# Altium PCB 全兼容主控.PCBDOC (part 2 of 9) (continued)
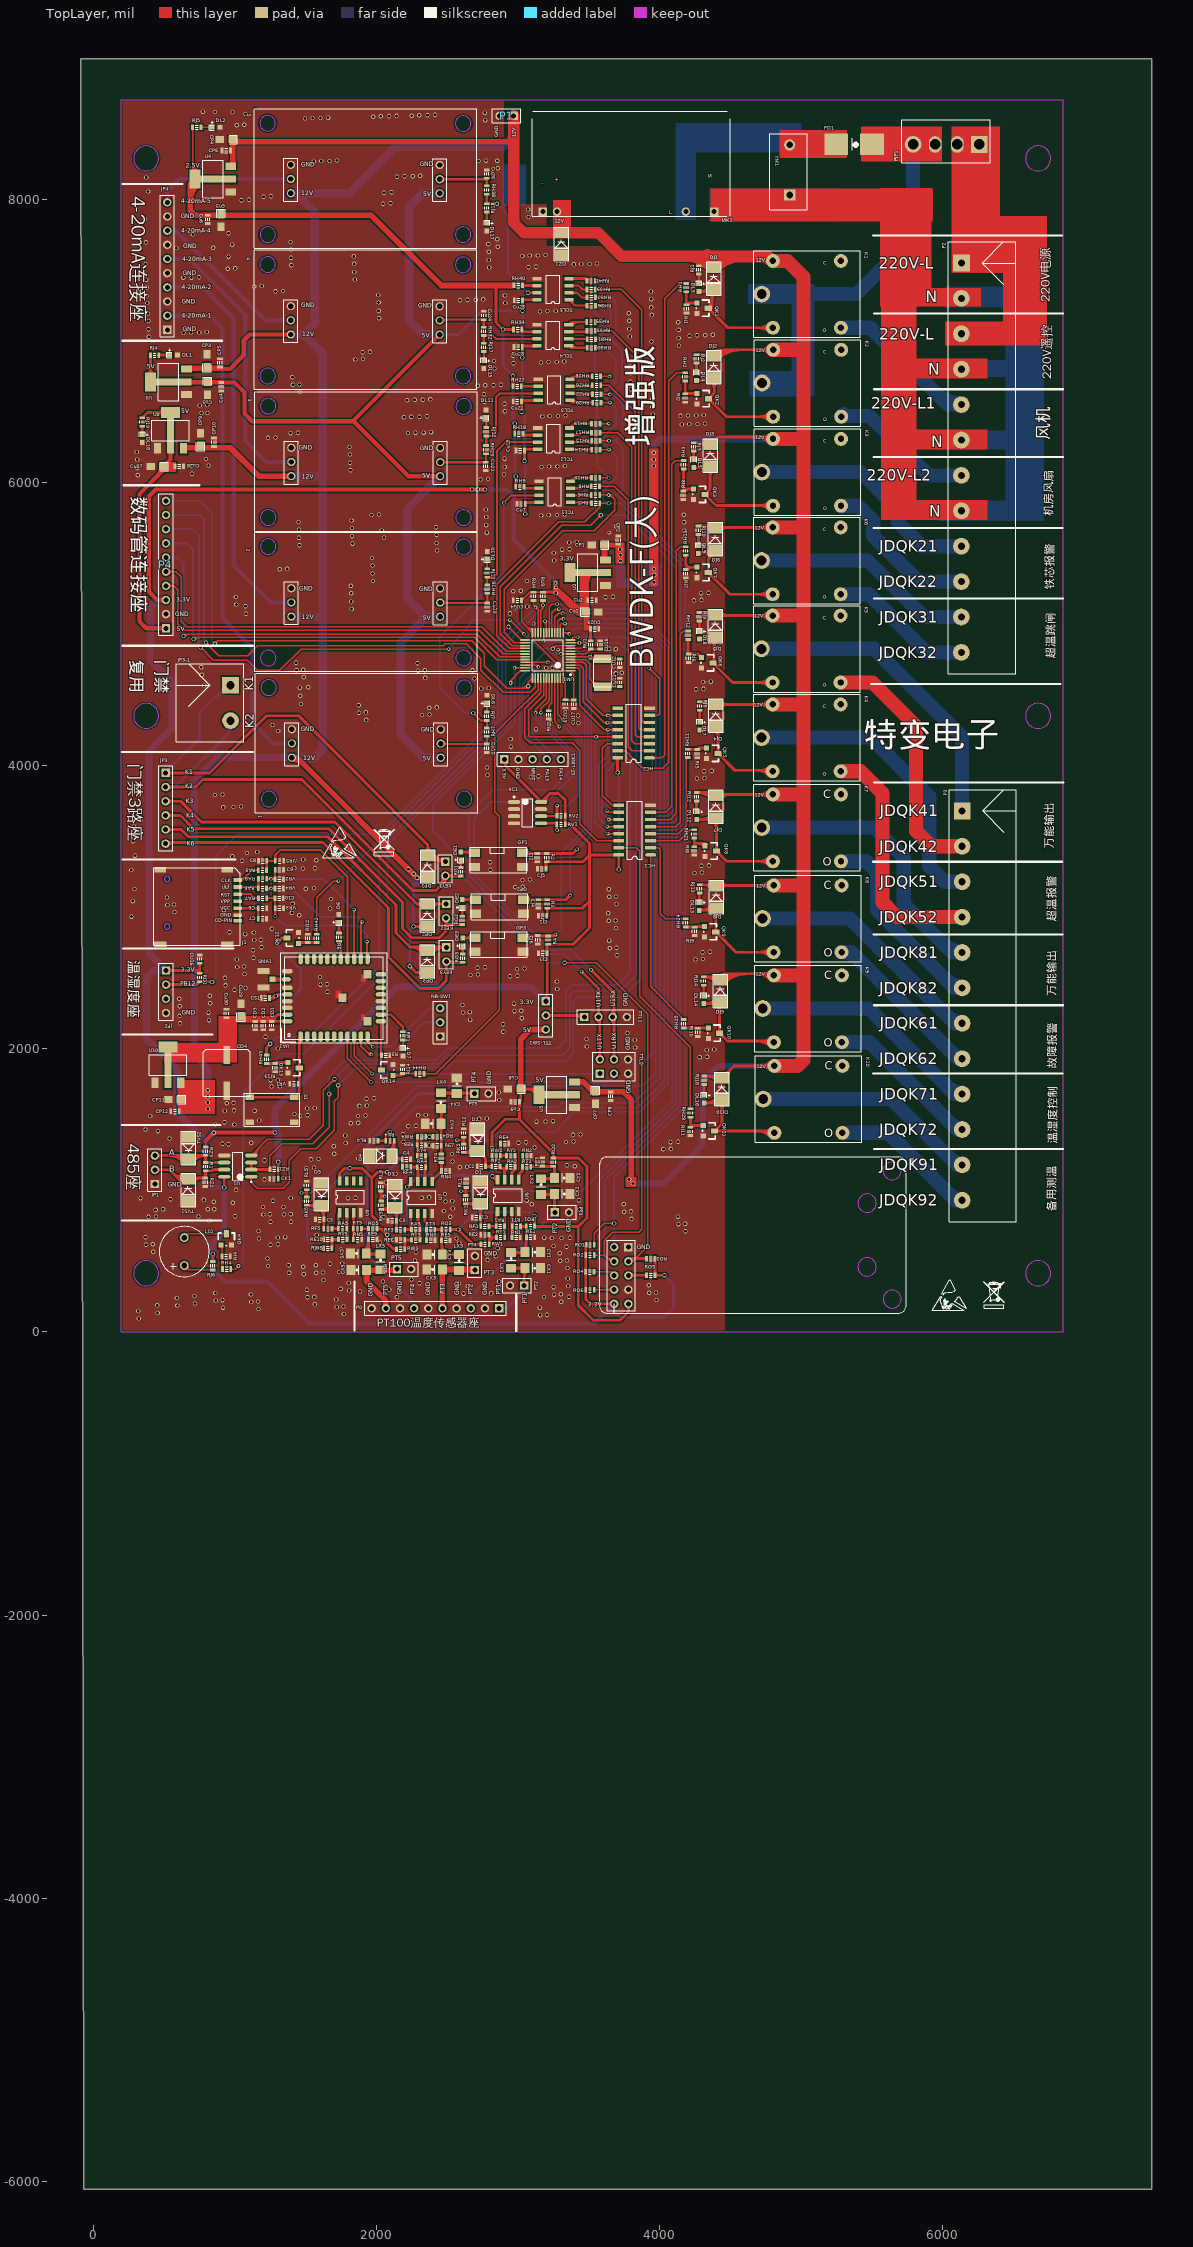
[diagram p0: TopLayer view]
## Nets (pads, with @x,y where several pads share a name; then routed paths per layer and width w, separated by ;. In a path a pad name is that pad's centre, name@x,y a point inside that pad or via, vN(x,y) a via of type N, cw(c..) or ccw(c..) an arc to the next point about the centre after c; other vN are vias at no path point) (continued)
  TopLayer w40: U8.3@643.73,6244.59 968.3,6244.59 1169.07,6043.82 3.3@1399.21,6043.82 ; U4.3@971.69,8232.42 984.57,8245.3 CP4.1@984.57,8420.68 ; CP4.1@986.2,8404.42 987.9,8406.12 2969.19,8406.12 ; 1.3@1403.27,4055.86 1438.76,4055.86 v1(2287.71,3206.9) ; U5.3@3400.1,1765.25 3462.45,1765.25 3531.98,1695.72 3746.26,1695.72 3798.85,1643.12 3798.85,1061.51 v1(3812.55,1047.81) ; 725.82,6244.59 ccw(c725.82,6282.76) CP9.1@752.81,6255.77 ; 725.82,6244.59 ccw(c725.82,6282.76) CP9.1@752.81,6255.77 ; 725.82,6244.59 ccw(c725.82,6282.76) CP9.1@752.81,6255.77 ; CP9.1@759.88,6255.77 ccw(c786.87,6282.76) 786.87,6244.59 ; CP9.1@759.88,6255.77 ccw(c786.87,6282.76) 786.87,6244.59 ; CP9.1@759.88,6255.77 ccw(c786.87,6282.76) 786.87,6244.59 ; CP10.2@846.41,6244.59 ccw(c846.41,6250.37) CP10.2@850.5,6246.28 ; CP10.2@846.41,6244.59 ccw(c846.41,6250.37) CP10.2@850.5,6246.28 ; CP10.2@846.41,6244.59 ccw(c846.41,6250.37) CP10.2@850.5,6246.28 ; CP10.2@855.82,6246.28 ccw(c859.91,6250.37) CP10.2@859.91,6244.59 ; CP10.2@855.82,6246.28 ccw(c859.91,6250.37) CP10.2@859.91,6244.59 ; CP10.2@855.82,6246.28 ccw(c859.91,6250.37) CP10.2@859.91,6244.59 ; CP6.2@976.76,8340.78 cw(c957.93,8321.95) 984.57,8321.95 ; CP6.2@976.76,8340.78 cw(c957.93,8321.95) 984.57,8321.95 ; CP6.2@976.76,8340.78 cw(c957.93,8321.95) 984.57,8321.95 ; CP6.2@976.76,8346.1 ccw(c957.93,8364.94) 984.57,8364.94 ; CP6.2@976.76,8346.1 ccw(c957.93,8364.94) 984.57,8364.94 ; CP6.2@976.76,8346.1 ccw(c957.93,8364.94) 984.57,8364.94 ; CP4.1@993.1,8424.21 ccw(c1036.78,8467.89) 1036.78,8406.12 ; CP4.1@993.1,8424.21 ccw(c1036.78,8467.89) 1036.78,8406.12 ; CP4.1@993.1,8424.21 ccw(c1036.78,8467.89) 1036.78,8406.12 ; 1.3@1403.27,4046.86 cw(c1403.27,3939.45) 1479.21,4015.4 ; 1.3@1403.27,4046.86 cw(c1403.27,3939.45) 1479.21,4015.4 ; 1.3@1403.27,4046.86 cw(c1403.27,3939.45) 1479.21,4015.4 ; 1.3@1406.84,4047.6 cw(c1424.69,4006.31) 1456.5,4038.11 ; 1.3@1406.84,4047.6 cw(c1424.69,4006.31) 1456.5,4038.11 ; 1.3@1406.84,4047.6 cw(c1424.69,4006.31) 1456.5,4038.11 ; 3495.41,1732.29 ccw(c3547.96,1784.83) CP7.1@3547.96,1710.52 ; 3495.41,1732.29 ccw(c3547.96,1784.83) CP7.1@3547.96,1710.52 ; 3495.41,1732.29 ccw(c3547.96,1784.83) CP7.1@3547.96,1710.52 ; v1@3788.48,1078.95 cw(c3767.93,1055.84) 3798.85,1055.84 ; v1@3788.48,1078.95 cw(c3767.93,1055.84) 3798.85,1055.84 ; v1@3788.48,1078.95 cw(c3767.93,1055.84) 3798.85,1055.84 ; v1@3788.69,1071.67 ccw(c3764.15,1096.21) 3798.85,1096.21 ; v1@3788.69,1071.67 ccw(c3764.15,1096.21) 3798.85,1096.21 ; v1@3788.69,1071.67 ccw(c3764.15,1096.21) 3798.85,1096.21 ; 3798.85,1068.81 ccw(c3833.56,1068.81) v1@3809.02,1044.28 ; 3798.85,1068.81 ccw(c3833.56,1068.81) v1@3809.02,1044.28 ; 3798.85,1068.81 ccw(c3833.56,1068.81) v1@3809.02,1044.28
  TopLayer w80: P1.1@2969.19,8588.31 2969.19,7834.14 3039.93,7763.4 3564.46,7763.4 3730.77,7597.09 4763.55,7597.09 K1.4@4796.7,7563.94 ; 4362.08,7585.03 4362.08,7584.28 4385.13,7561.23 DJ1.2@4385.13,7518.03 ; 4185.96,7597.09 cw(c4185.96,7328.7) DJ1.2@4375.74,7518.48 ; 4185.96,7597.09 cw(c4185.96,7328.7) DJ1.2@4375.74,7518.48 ; 4185.96,7597.09 cw(c4185.96,7328.7) DJ1.2@4375.74,7518.48 ; 4338.86,7607.5 cw(c4249.4,7518.03) DJ1.2@4375.92,7518.03 ; 4338.86,7607.5 cw(c4249.4,7518.03) DJ1.2@4375.92,7518.03 ; 4338.86,7607.5 cw(c4249.4,7518.03) DJ1.2@4375.92,7518.03 ; DJ1.2@4394.53,7518.48 cw(c4584.31,7328.7) 4584.31,7597.09 ; DJ1.2@4394.53,7518.48 cw(c4584.31,7328.7) 4584.31,7597.09 ; DJ1.2@4394.53,7518.48 cw(c4584.31,7328.7) 4584.31,7597.09 ; 4698.28,7597.09 cw(c4698.28,7461.68) K1.4@4794.03,7557.43 ; 4698.28,7597.09 cw(c4698.28,7461.68) K1.4@4794.03,7557.43 ; 4698.28,7597.09 cw(c4698.28,7461.68) K1.4@4794.03,7557.43
  TopLayer w100: K5.4@4798.13,5058.41 4999.49,5058.41 ; K4.4@4798.52,4431.4 4999.88,4431.4 ; K6.4@4799.13,5681.83 5000.49,5681.83 ; K1.4@4800.54,7563.94 4902.43,7563.94 5017.14,7449.23 5017.14,1920.15 4975.11,1878.11 K10.4@4810.86,1878.11 ; K7.4@4800.61,3795.63 5001.96,3795.63 ; K3.4@4801.49,6306.49 5002.85,6306.49 ; K2.4@4802.4,6935.94 5003.76,6935.94 ; K8.4@4805.53,3153.5 5006.89,3153.5 ; K9.4@4807.17,2517.96 5008.53,2517.96
  BottomLayer w20: v1(2235.32,2582.39) 2235.32,2835.93 v1(2262.7,2863.31) 2262.7,3181.89 v1(2287.71,3206.9)
  BottomLayer w40: v1(3785.15,1075.21) v1(3812.55,1047.81) 4029.26,1047.81 4304.49,1323.05 4304.49,1766.41 4416.19,1878.11 K10.4@4810.86,1878.11 ; 4740.33,1878.11 cw(c4740.33,1807.59) K10.4@4790.2,1857.46 ; 4740.33,1878.11 ccw(c4740.33,1948.64) K10.4@4790.2,1898.77 ; 4740.33,1878.11 cw(c4740.33,1807.59) K10.4@4790.2,1857.46 ; 4740.33,1878.11 ccw(c4740.33,1948.64) K10.4@4790.2,1898.77 ; 4740.33,1878.11 cw(c4740.33,1807.59) K10.4@4790.2,1857.46 ; 4740.33,1878.11 ccw(c4740.33,1948.64) K10.4@4790.2,1898.77
  BottomLayer w50: v1(809.04,1573.61) 809.04,1859.93 715.6,1953.36 715.6,3893.15 878.31,4055.86 1.3@1403.27,4055.86 ; v1(3958.95,6114.95) 3958.95,6264.4 4001.04,6306.49 K3.4@4801.49,6306.49 ; 4743.03,6306.49 cw(c4743.03,6248.04) K3.4@4784.37,6289.37 ; 4743.03,6306.49 ccw(c4743.03,6364.95) K3.4@4784.37,6323.61 ; 4743.03,6306.49 cw(c4743.03,6248.04) K3.4@4784.37,6289.37 ; 4743.03,6306.49 ccw(c4743.03,6364.95) K3.4@4784.37,6323.61 ; 4743.03,6306.49 cw(c4743.03,6248.04) K3.4@4784.37,6289.37 ; 4743.03,6306.49 ccw(c4743.03,6364.95) K3.4@4784.37,6323.61
  BottomLayer w60: 4.3@1395.55,7044.3 1486.78,7044.3 ; 5.3@1395.98,8041.93 1808.95,8041.93 2137.16,8370.15 2894.95,8370.15 2969.19,8444.38 P1.1@2969.19,8588.31 ; 2.3@1399.21,5051.88 1622.73,5051.88 1622.84,5051.76 ; 3.3@1399.21,6043.82 1620.44,6043.82 ; 1.3@1403.27,4055.86 1561.45,4055.86 1622.84,4117.25 1622.84,6908.24 1486.78,7044.3 ; 1432.74,8041.93 1566.09,7908.58 1566.09,7123.6 1486.78,7044.3 ; 5.3@1395.87,8042.92 cw(c1403.35,7975.77) 1451.12,8023.55 ; 5.3@1395.87,8042.92 cw(c1403.35,7975.77) 1451.12,8023.55 ; 5.3@1395.87,8042.92 cw(c1403.35,7975.77) 1451.12,8023.55 ; 5.3@1395.98,8042.93 cw(c1395.98,7956.58) 1457.03,8017.64 ; 5.3@1395.98,8042.93 cw(c1395.98,7956.58) 1457.03,8017.64 ; 5.3@1395.98,8042.93 cw(c1395.98,7956.58) 1457.03,8017.64
  other v1: 809.04,1620.62 809.04,1663.03 809.04,1706.02 2264.18,3235.05 2226.47,3267.51 3959.86,5294.51 3962.05,5346.46 3960.74,5387.05 3724.31,5446.62 3723.51,5485.9 3722.72,5525.58 3958.95,6161.64 3958.95,6208.22
A1: JP1.3 R1.2 RZ3.1 TVS2.2 U1.6 | length 2307
  TopLayer w20: JP1.3@434.99,1244.68 437.41,1247.11 RZ3.1@793.55,1247.11 ; TVS2.2@651.49,1247.97 TVS2.2@652.35,1247.11 ; U1.6@925.45,1195.47 795.44,1195.47 R1.2@794.01,1196.91 794.01,1246.65 RZ3.1@793.55,1247.11 ; JP1.3@448.79,1230.87 cw(c487.98,1191.68) 487.98,1247.11 ; JP1.3@448.79,1230.87 cw(c487.98,1191.68) 487.98,1247.11 ; JP1.3@448.79,1230.87 cw(c487.98,1191.68) 487.98,1247.11 ; JP1.3@448.79,1258.49 ccw(c476.27,1285.97) 476.27,1247.11 ; JP1.3@448.79,1258.49 ccw(c476.27,1285.97) 476.27,1247.11 ; JP1.3@448.79,1258.49 ccw(c476.27,1285.97) 476.27,1247.11 ; 521.65,1247.11 cw(c521.65,1078.86) TVS2.2@640.62,1197.83 ; 521.65,1247.11 cw(c521.65,1078.86) TVS2.2@640.62,1197.83 ; 521.65,1247.11 cw(c521.65,1078.86) TVS2.2@640.62,1197.83 ; 569.94,1247.11 cw(c569.94,1127.14) TVS2.2@654.76,1211.97 ; 569.94,1247.11 cw(c569.94,1127.14) TVS2.2@654.76,1211.97 ; 569.94,1247.11 cw(c569.94,1127.14) TVS2.2@654.76,1211.97 ; 618.22,1247.11 cw(c618.22,1175.43) TVS2.2@668.91,1226.11 ; 618.22,1247.11 cw(c618.22,1175.43) TVS2.2@668.91,1226.11 ; 618.22,1247.11 cw(c618.22,1175.43) TVS2.2@668.91,1226.11 ; TVS2.2@672.42,1224.77 cw(c715.82,1193.78) TVS2.2@715.82,1247.11 ; TVS2.2@672.42,1224.77 cw(c715.82,1193.78) TVS2.2@715.82,1247.11 ; TVS2.2@672.42,1224.77 cw(c715.82,1193.78) TVS2.2@715.82,1247.11 ; TVS2.2@688.7,1213.15 cw(c754.68,1166.03) 754.68,1247.11 ; TVS2.2@688.7,1213.15 cw(c754.68,1166.03) 754.68,1247.11 ; TVS2.2@688.7,1213.15 cw(c754.68,1166.03) 754.68,1247.11 ; TVS2.2@704.97,1201.53 cw(c793.54,1138.27) RZ3.1@793.55,1247.11 ; TVS2.2@704.97,1201.53 cw(c793.54,1138.27) RZ3.1@793.55,1247.11 ; TVS2.2@704.97,1201.53 cw(c793.54,1138.27) RZ3.1@793.55,1247.11
ADC: UA1.14
ADC_IN0: P4.8 UM1.10 | length 5357.1
  TopLayer w10: v1(758.57,4834.06) 849.49,4743.14 1088.94,4743.14 1159.44,4672.64 1318.42,4672.64 1468.33,4822.54 v2(2509.76,4822.54) ; v2@2942.01,5029.22 v2(3042.12,4929.1) ; v1(3245.83,4825.1) 3267.51,4846.78 UM1.10@3371.14,4846.78 ; v1@758.57,4824.06 cw(c758.57,4799.92) 775.64,4816.99 ; v1@758.57,4824.06 cw(c758.57,4799.92) 775.64,4816.99 ; v1@758.57,4824.06 cw(c758.57,4799.92) 775.64,4816.99 ; v1@768.57,4834.06 ccw(c792.71,4834.06) 775.64,4816.99 ; v1@768.57,4834.06 ccw(c792.71,4834.06) 775.64,4816.99 ; v1@768.57,4834.06 ccw(c792.71,4834.06) 775.64,4816.99 ; 2491.65,4822.54 cw(c2491.65,4804.44) v2@2504.45,4817.24 ; 2491.65,4822.54 ccw(c2491.65,4840.65) v2@2504.45,4827.85 ; 2491.65,4822.54 cw(c2491.65,4804.44) v2@2504.45,4817.24 ; 2491.65,4822.54 ccw(c2491.65,4840.65) v2@2504.45,4827.85 ; 2491.65,4822.54 cw(c2491.65,4804.44) v2@2504.45,4817.24 ; 2491.65,4822.54 ccw(c2491.65,4840.65) v2@2504.45,4827.85 ; v2@2943.23,5019.21 cw(c2943.23,4997.98) 2958.23,5012.99 ; v2@2943.23,5019.21 cw(c2943.23,4997.98) 2958.23,5012.99 ; v2@2943.23,5019.21 cw(c2943.23,4997.98) 2958.23,5012.99 ; v2@2950.73,5026.71 ccw(c2965.71,5026.71) 2955.11,5016.11 ; v2@2950.73,5026.71 ccw(c2965.71,5026.71) 2955.11,5016.11 ; v2@2950.73,5026.71 ccw(c2965.71,5026.71) 2955.11,5016.11 ; 3029.32,4941.91 cw(c3016.52,4929.1) v2@3034.62,4929.1 ; 3029.32,4941.91 ccw(c3042.12,4954.71) v2@3042.12,4936.6 ; 3029.32,4941.91 cw(c3016.52,4929.1) v2@3034.62,4929.1 ; 3029.32,4941.91 ccw(c3042.12,4954.71) v2@3042.12,4936.6 ; 3029.32,4941.91 cw(c3016.52,4929.1) v2@3034.62,4929.1 ; 3029.32,4941.91 ccw(c3042.12,4954.71) v2@3042.12,4936.6 ; v1@3245.83,4835.1 ccw(c3245.83,4859.24) 3262.9,4842.17 ; v1@3245.83,4835.1 ccw(c3245.83,4859.24) 3262.9,4842.17 ; v1@3245.83,4835.1 ccw(c3245.83,4859.24) 3262.9,4842.17 ; v1@3255.83,4825.1 cw(c3279.97,4825.1) 3262.9,4842.17 ; v1@3255.83,4825.1 cw(c3279.97,4825.1) 3262.9,4842.17 ; v1@3255.83,4825.1 cw(c3279.97,4825.1) 3262.9,4842.17
  BottomLayer w10: v2(2509.76,4822.54) 2682.69,5026.71 v2(2943.23,5026.71) ; v2(3042.12,4929.1) 3146.13,4825.1 v1(3245.83,4825.1) ; v2@2509.14,4830.02 ccw(c2507.64,4848.06) 2521.46,4836.36 ; v2@2509.14,4830.02 ccw(c2507.64,4848.06) 2521.46,4836.36 ; v2@2509.14,4830.02 ccw(c2507.64,4848.06) 2521.46,4836.36 ; v2@2517.23,4823.16 cw(c2535.28,4824.66) 2521.46,4836.36 ; v2@2517.23,4823.16 cw(c2535.28,4824.66) 2521.46,4836.36 ; v2@2517.23,4823.16 cw(c2535.28,4824.66) 2521.46,4836.36 ; 2925.12,5026.71 cw(c2925.12,5008.6) v2@2937.92,5021.41 ; 2925.12,5026.71 ccw(c2925.12,5044.82) v2@2937.92,5032.01 ; 2925.12,5026.71 cw(c2925.12,5008.6) v2@2937.92,5021.41 ; 2925.12,5026.71 ccw(c2925.12,5044.82) v2@2937.92,5032.01 ; 2925.12,5026.71 cw(c2925.12,5008.6) v2@2937.92,5021.41 ; 2925.12,5026.71 ccw(c2925.12,5044.82) v2@2937.92,5032.01 ; v2@3042.12,4921.6 cw(c3042.12,4903.5) 3054.93,4916.3 ; v2@3042.12,4921.6 cw(c3042.12,4903.5) 3054.93,4916.3 ; v2@3042.12,4921.6 cw(c3042.12,4903.5) 3054.93,4916.3 ; v2@3049.62,4929.1 ccw(c3067.73,4929.1) 3054.93,4916.3 ; v2@3049.62,4929.1 ccw(c3067.73,4929.1) 3054.93,4916.3 ; v2@3049.62,4929.1 ccw(c3067.73,4929.1) 3054.93,4916.3 ; 3221.69,4825.1 cw(c3221.69,4800.96) v1@3238.76,4818.03 ; 3221.69,4825.1 ccw(c3221.69,4849.24) v1@3238.76,4832.17 ; 3221.69,4825.1 cw(c3221.69,4800.96) v1@3238.76,4818.03 ; 3221.69,4825.1 ccw(c3221.69,4849.24) v1@3238.76,4832.17 ; 3221.69,4825.1 cw(c3221.69,4800.96) v1@3238.76,4818.03 ; 3221.69,4825.1 ccw(c3221.69,4849.24) v1@3238.76,4832.17
  BottomLayer w15: P4.8@513.73,5669.12 700.3,5669.12 746.33,5623.09 746.33,4846.3 ; v1(758.57,4834.06) 746.33,4846.3 ; P4.8@529.3,5653.55 cw(c566.91,5615.94) 566.91,5669.12 ; P4.8@529.3,5653.55 cw(c566.91,5615.94) 566.91,5669.12 ; P4.8@529.3,5653.55 cw(c566.91,5615.94) 566.91,5669.12 ; P4.8@529.3,5684.7 ccw(c566.91,5722.3) 566.91,5669.12 ; P4.8@529.3,5684.7 ccw(c566.91,5722.3) 566.91,5669.12 ; P4.8@529.3,5684.7 ccw(c566.91,5722.3) 566.91,5669.12 ; 746.33,4845.51 ccw(c770.02,4845.51) v1@753.27,4828.76 ; 746.33,4845.51 ccw(c770.02,4845.51) v1@753.27,4828.76 ; 746.33,4845.51 ccw(c770.02,4845.51) v1@753.27,4828.76 ; 746.33,4846.3 cw(c734.85,4834.82) v1@751.08,4834.3 ; 746.33,4846.3 ccw(c757.81,4857.78) v1@758.33,4841.56 ; 746.33,4846.3 cw(c734.85,4834.82) v1@751.08,4834.3 ; 746.33,4846.3 ccw(c757.81,4857.78) v1@758.33,4841.56 ; 746.33,4846.3 cw(c734.85,4834.82) v1@751.08,4834.3 ; 746.33,4846.3 ccw(c757.81,4857.78) v1@758.33,4841.56 ; 746.33,4881.72 ccw(c806.24,4881.72) v1@763.88,4839.36 ; 746.33,4881.72 ccw(c806.24,4881.72) v1@763.88,4839.36 ; 746.33,4881.72 ccw(c806.24,4881.72) v1@763.88,4839.36
ADC_IN4: RK5.1 RL5.2 UM1.14 | length 7077.6
  TopLayer w10: v2(1469.95,982.02) 1506.4,982.02 ; UM1.14@3299.29,4938.32 3299.29,4996.68 3304.33,5001.72 v2(3332.85,5001.72) ; v2@1475.26,976.71 cw(c1488.06,963.91) 1488.06,982.02 ; v2@1475.26,976.71 cw(c1488.06,963.91) 1488.06,982.02 ; v2@1475.26,976.71 cw(c1488.06,963.91) 1488.06,982.02 ; v2@1475.26,987.32 ccw(c1488.06,1000.12) 1488.06,982.02 ; v2@1475.26,987.32 ccw(c1488.06,1000.12) 1488.06,982.02 ; v2@1475.26,987.32 ccw(c1488.06,1000.12) 1488.06,982.02 ; 3314.74,5001.72 cw(c3314.74,4983.62) v2@3327.55,4996.42 ; 3314.74,5001.72 ccw(c3314.74,5019.83) v2@3327.55,5007.03 ; 3314.74,5001.72 cw(c3314.74,4983.62) v2@3327.55,4996.42 ; 3314.74,5001.72 ccw(c3314.74,5019.83) v2@3327.55,5007.03 ; 3314.74,5001.72 cw(c3314.74,4983.62) v2@3327.55,4996.42 ; 3314.74,5001.72 ccw(c3314.74,5019.83) v2@3327.55,5007.03
  TopLayer w20: RL5.2@1506.84,1004.04 1507.7,1003.18 RK5.1@1507.7,952.99
  BottomLayer w10: v2(1469.95,982.02) 1538.44,982.02 2293.22,1736.8 3881.94,1736.8 3973.38,1828.24 3973.38,4807.87 3779.53,5001.72 v2(3332.85,5001.72) ; v2@1475.26,976.71 cw(c1488.06,963.91) 1488.06,982.02 ; v2@1475.26,976.71 cw(c1488.06,963.91) 1488.06,982.02 ; v2@1475.26,976.71 cw(c1488.06,963.91) 1488.06,982.02 ; v2@1475.26,987.32 ccw(c1488.06,1000.12) 1488.06,982.02 ; v2@1475.26,987.32 ccw(c1488.06,1000.12) 1488.06,982.02 ; v2@1475.26,987.32 ccw(c1488.06,1000.12) 1488.06,982.02 ; v2@3338.15,4996.42 cw(c3350.96,4983.62) 3350.96,5001.72 ; v2@3338.15,4996.42 cw(c3350.96,4983.62) 3350.96,5001.72 ; v2@3338.15,4996.42 cw(c3350.96,4983.62) 3350.96,5001.72 ; v2@3338.15,5007.03 ccw(c3350.96,5019.83) 3350.96,5001.72 ; v2@3338.15,5007.03 ccw(c3350.96,5019.83) 3350.96,5001.72 ; v2@3338.15,5007.03 ccw(c3350.96,5019.83) 3350.96,5001.72
ADC_IN5: RK4.1 RL4.2 UM1.15 | length 6453.7
  TopLayer w10: UM1.15@3279.6,4938.32 3279.6,5017.23 3297.21,5034.83 v2(3321.25,5034.83) ; 3303.14,5034.83 cw(c3303.14,5016.72) v2@3315.95,5029.52 ; 3303.14,5034.83 ccw(c3303.14,5052.93) v2@3315.95,5040.13 ; 3303.14,5034.83 cw(c3303.14,5016.72) v2@3315.95,5029.52 ; 3303.14,5034.83 ccw(c3303.14,5052.93) v2@3315.95,5040.13 ; 3303.14,5034.83 cw(c3303.14,5016.72) v2@3315.95,5029.52 ; 3303.14,5034.83 ccw(c3303.14,5052.93) v2@3315.95,5040.13
  TopLayer w20: RL4.2@2012.09,1350.04 RK4.1@2066.63,1350.04 2066.63,1391.38 2086.43,1411.18 v2(2098.24,1411.18) ; 2073.81,1398.56 cw(c2098.24,1374.13) v2@2098.24,1408.68 ; 2073.81,1398.56 cw(c2098.24,1374.13) v2@2098.24,1408.68 ; 2073.81,1398.56 cw(c2098.24,1374.13) v2@2098.24,1408.68
  BottomLayer w10: v2(2098.24,1411.18) 2278,1590.94 3283.76,1590.94 3311.58,1618.76 3818.87,1618.76 4003.49,1803.38 4003.49,4815.29 3783.95,5034.83 v2(3321.25,5034.83) ; v2@2098.24,1418.68 ccw(c2098.24,1436.79) 2111.05,1423.98 ; v2@2098.24,1418.68 ccw(c2098.24,1436.79) 2111.05,1423.98 ; v2@2098.24,1418.68 ccw(c2098.24,1436.79) 2111.05,1423.98 ; v2@2105.74,1411.18 cw(c2123.85,1411.18) 2111.05,1423.98 ; v2@2105.74,1411.18 cw(c2123.85,1411.18) 2111.05,1423.98 ; v2@2105.74,1411.18 cw(c2123.85,1411.18) 2111.05,1423.98 ; v2@3326.55,5029.52 cw(c3339.36,5016.72) 3339.36,5034.83 ; v2@3326.55,5029.52 cw(c3339.36,5016.72) 3339.36,5034.83 ; v2@3326.55,5029.52 cw(c3339.36,5016.72) 3339.36,5034.83 ; v2@3326.55,5040.13 ccw(c3339.36,5052.93) 3339.36,5034.83 ; v2@3326.55,5040.13 ccw(c3339.36,5052.93) 3339.36,5034.83 ; v2@3326.55,5040.13 ccw(c3339.36,5052.93) 3339.36,5034.83
ADC_IN6: RK3.1 RL3.2 UM1.16 | length 6934.7
  TopLayer w10: 2033.36,954.19 2036,956.84 v2(2056.65,956.84) ; UM1.16@3259.92,4938.32 3259.92,5045.42 3288.78,5074.28 v2(3316.57,5074.28) ; 2038.54,956.84 cw(c2038.54,938.73) v2@2051.35,951.53 ; 2038.54,956.84 ccw(c2038.54,974.94) v2@2051.35,962.14 ; 2038.54,956.84 cw(c2038.54,938.73) v2@2051.35,951.53 ; 2038.54,956.84 ccw(c2038.54,974.94) v2@2051.35,962.14 ; 2038.54,956.84 cw(c2038.54,938.73) v2@2051.35,951.53 ; 2038.54,956.84 ccw(c2038.54,974.94) v2@2051.35,962.14 ; 3298.47,5074.28 cw(c3298.47,5056.17) v2@3311.27,5068.97 ; 3298.47,5074.28 ccw(c3298.47,5092.38) v2@3311.27,5079.58 ; 3298.47,5074.28 cw(c3298.47,5056.17) v2@3311.27,5068.97 ; 3298.47,5074.28 ccw(c3298.47,5092.38) v2@3311.27,5079.58 ; 3298.47,5074.28 cw(c3298.47,5056.17) v2@3311.27,5068.97 ; 3298.47,5074.28 ccw(c3298.47,5092.38) v2@3311.27,5079.58
  TopLayer w20: RL3.2@2032.13,994.64 2033.36,993.41 RK3.1@2033.36,923.86
  BottomLayer w10: v2(2056.65,956.84) 2071.45,956.84 ; 2079.55,964.93 2672.5,1557.89 3318.29,1557.89 3343.12,1582.72 3844.1,1582.72 4031.6,1770.22 4031.6,4827.7 3785.01,5074.28 v2(3316.57,5074.28) ; v2@2056.05,954.41 ccw(c2060.62,972.81) 2074.02,959.4 ; v2@2056.05,954.41 ccw(c2060.62,972.81) 2074.02,959.4 ; v2@2056.05,954.41 ccw(c2060.62,972.81) 2074.02,959.4 ; v2@2058.46,964.12 ccw(c2065.6,992.85) 2086.53,971.91 ; v2@2058.46,964.12 ccw(c2065.6,992.85) 2086.53,971.91 ; v2@2058.46,964.12 ccw(c2065.6,992.85) 2086.53,971.91 ; v2@2062.7,952.4 cw(c2071.45,945.98) 2071.45,956.84 ; v2@2062.7,952.4 cw(c2071.45,945.98) 2071.45,956.84 ; v2@2062.7,952.4 cw(c2071.45,945.98) 2071.45,956.84 ; v2@2062.7,961.27 ccw(c2071.45,967.7) 2071.45,956.84 ; v2@2062.7,961.27 ccw(c2071.45,967.7) 2071.45,956.84 ; v2@2062.7,961.27 ccw(c2071.45,967.7) 2071.45,956.84 ; 2071.45,956.84 2086.53,971.92 ; v2@3321.88,5068.97 cw(c3334.68,5056.17) 3334.68,5074.28 ; v2@3321.88,5068.97 cw(c3334.68,5056.17) 3334.68,5074.28 ; v2@3321.88,5068.97 cw(c3334.68,5056.17) 3334.68,5074.28 ; v2@3321.88,5079.58 ccw(c3334.68,5092.38) 3334.68,5074.28 ; v2@3321.88,5079.58 ccw(c3334.68,5092.38) 3334.68,5074.28 ; v2@3321.88,5079.58 ccw(c3334.68,5092.38) 3334.68,5074.28
ADC_IN7: RK2.1 RL2.2 UM1.17 | length 6259.4
  TopLayer w10: v2(2568.91,1353.73) 2617.09,1353.73 ; UM1.17@3240.23,4938.32 3240.23,5078.18 3266.33,5104.28 v2(3288.73,5104.28) ; v2@2574.21,1348.43 cw(c2587.01,1335.62) 2587.01,1353.73 ; v2@2574.21,1348.43 cw(c2587.01,1335.62) 2587.01,1353.73 ; v2@2574.21,1348.43 cw(c2587.01,1335.62) 2587.01,1353.73 ; v2@2574.21,1359.03 ccw(c2587.01,1371.84) 2587.01,1353.73 ; v2@2574.21,1359.03 ccw(c2587.01,1371.84) 2587.01,1353.73 ; v2@2574.21,1359.03 ccw(c2587.01,1371.84) 2587.01,1353.73 ; 3270.62,5104.28 cw(c3270.62,5086.17) v2@3283.42,5098.98 ; 3270.62,5104.28 ccw(c3270.62,5122.39) v2@3283.42,5109.58 ; 3270.62,5104.28 cw(c3270.62,5086.17) v2@3283.42,5098.98 ; 3270.62,5104.28 ccw(c3270.62,5122.39) v2@3283.42,5109.58 ; 3270.62,5104.28 cw(c3270.62,5086.17) v2@3283.42,5098.98 ; 3270.62,5104.28 ccw(c3270.62,5122.39) v2@3283.42,5109.58
  TopLayer w20: RL2.2@2616.55,1374.65 2617.2,1374 RK2.1@2617.2,1326.78
  BottomLayer w10: v2(2568.91,1353.73) 2803.97,1353.73 2860.86,1410.62 3258.42,1410.62 3402.59,1554.79 3860.32,1554.79 4059.2,1753.67 4059.2,4840.63 3795.55,5104.28 v2(3288.73,5104.28) ; v2@2574.21,1348.43 cw(c2587.01,1335.62) 2587.01,1353.73 ; v2@2574.21,1348.43 cw(c2587.01,1335.62) 2587.01,1353.73 ; v2@2574.21,1348.43 cw(c2587.01,1335.62) 2587.01,1353.73 ; v2@2574.21,1359.03 ccw(c2587.01,1371.84) 2587.01,1353.73 ; v2@2574.21,1359.03 ccw(c2587.01,1371.84) 2587.01,1353.73 ; v2@2574.21,1359.03 ccw(c2587.01,1371.84) 2587.01,1353.73 ; v2@3294.03,5098.98 cw(c3306.83,5086.17) 3306.83,5104.28 ; v2@3294.03,5098.98 cw(c3306.83,5086.17) 3306.83,5104.28 ; v2@3294.03,5098.98 cw(c3306.83,5086.17) 3306.83,5104.28 ; v2@3294.03,5109.58 ccw(c3306.83,5122.39) 3306.83,5104.28 ; v2@3294.03,5109.58 ccw(c3306.83,5122.39) 3306.83,5104.28 ; v2@3294.03,5109.58 ccw(c3306.83,5122.39) 3306.83,5104.28
ADC_IN8: RK1.1 RL1.2 UM1.18 | length 6589.7
  TopLayer w10: v2(2596.49,992.74) 2631.56,992.74 2633.97,995.16 ; UM1.18@3220.55,4938.32 3220.55,5120.08 3239.26,5138.79 v2(3276.18,5138.79) ; v2@2601.79,987.44 cw(c2614.6,974.64) 2614.6,992.74 ; v2@2601.79,987.44 cw(c2614.6,974.64) 2614.6,992.74 ; v2@2601.79,987.44 cw(c2614.6,974.64) 2614.6,992.74 ; v2@2601.79,998.05 ccw(c2614.6,1010.85) 2614.6,992.75 ; v2@2601.79,998.05 ccw(c2614.6,1010.85) 2614.6,992.75 ; v2@2601.79,998.05 ccw(c2614.6,1010.85) 2614.6,992.75 ; 3258.07,5138.79 cw(c3258.07,5120.68) v2@3270.87,5133.49 ; 3258.07,5138.79 ccw(c3258.07,5156.9) v2@3270.87,5144.09 ; 3258.07,5138.79 cw(c3258.07,5120.68) v2@3270.87,5133.49 ; 3258.07,5138.79 ccw(c3258.07,5156.9) v2@3270.87,5144.09 ; 3258.07,5138.79 cw(c3258.07,5120.68) v2@3270.87,5133.49 ; 3258.07,5138.79 ccw(c3258.07,5156.9) v2@3270.87,5144.09
  TopLayer w20: RK1.1@2631.88,962.82 2633.97,964.91 RL1.2@2633.97,1020.09
  BottomLayer w10: v2(2596.49,992.74) 3449.18,992.74 4089.24,1632.8 4089.24,4848.15 3798.59,5138.79 v2(3276.18,5138.79) ; v2@2601.79,987.44 cw(c2614.6,974.64) 2614.6,992.74 ; v2@2601.79,987.44 cw(c2614.6,974.64) 2614.6,992.74 ; v2@2601.79,987.44 cw(c2614.6,974.64) 2614.6,992.74 ; v2@2601.79,998.05 ccw(c2614.6,1010.85) 2614.6,992.75 ; v2@2601.79,998.05 ccw(c2614.6,1010.85) 2614.6,992.75 ; v2@2601.79,998.05 ccw(c2614.6,1010.85) 2614.6,992.75 ; v2@3281.48,5133.49 cw(c3294.28,5120.68) 3294.28,5138.79 ; v2@3281.48,5133.49 cw(c3294.28,5120.68) 3294.28,5138.79 ; v2@3281.48,5133.49 cw(c3294.28,5120.68) 3294.28,5138.79 ; v2@3281.48,5144.09 ccw(c3294.28,5156.9) 3294.28,5138.79 ; v2@3281.48,5144.09 ccw(c3294.28,5156.9) 3294.28,5138.79 ; v2@3281.48,5144.09 ccw(c3294.28,5156.9) 3294.28,5138.79
B1: JP1.2 R1.1 RZ2.2 TVS1.2 U1.7 | length 2120.2
  TopLayer w20: JP1.2@434.99,1144.68 538.84,1144.68 619.58,1063.94 669.98,1063.94 TVS1.2@681.08,1075.04 ; TVS1.2@671.83,1087.52 673.02,1086.33 RZ2.2@792.65,1086.33 792.65,1136.5 R1.1@794.01,1137.86 837.3,1137.86 844.92,1145.47 U1.7@925.45,1145.47 ; JP1.2@448.79,1130.87 cw(c482.13,1097.54) 482.13,1144.68 ; JP1.2@448.79,1130.87 cw(c482.13,1097.54) 482.13,1144.68 ; JP1.2@448.79,1130.87 cw(c482.13,1097.54) 482.13,1144.68 ; JP1.2@448.79,1158.49 ccw(c482.13,1191.83) 482.13,1144.68 ; JP1.2@448.79,1158.49 ccw(c482.13,1191.83) 482.13,1144.68 ; JP1.2@448.79,1158.49 ccw(c482.13,1191.83) 482.13,1144.68 ; 567.34,1116.19 ccw(c614.89,1163.74) TVS1.2@647.29,1104.81 ; 567.34,1116.19 ccw(c614.89,1163.74) TVS1.2@647.29,1104.81 ; 567.34,1116.19 ccw(c614.89,1163.74) TVS1.2@647.29,1104.81 ; 586.17,1097.35 ccw(c628.26,1139.43) TVS1.2@656.93,1087.28 ; 586.17,1097.35 ccw(c628.26,1139.43) TVS1.2@656.93,1087.28 ; 586.17,1097.35 ccw(c628.26,1139.43) TVS1.2@656.93,1087.28 ; 605.01,1078.51 ccw(c641.62,1115.13) TVS1.2@666.56,1069.75 ; 605.01,1078.51 ccw(c641.62,1115.13) TVS1.2@666.56,1069.75 ; 605.01,1078.51 ccw(c641.62,1115.13) TVS1.2@666.56,1069.75 ; TVS1.2@623.84,1059.68 ccw(c654.98,1090.82) TVS1.2@676.2,1052.23 ; TVS1.2@623.84,1059.68 ccw(c654.98,1090.82) TVS1.2@676.2,1052.23 ; TVS1.2@623.84,1059.68 ccw(c654.98,1090.82) TVS1.2@676.2,1052.23 ; TVS1.2@687.75,1072.44 cw(c721.28,1038.92) 721.28,1086.33 ; TVS1.2@687.75,1072.44 cw(c721.28,1038.92) 721.28,1086.33 ; TVS1.2@687.75,1072.44 cw(c721.28,1038.92) 721.28,1086.33 ; TVS1.2@701.9,1058.3 cw(c769.56,990.64) 769.56,1086.33 ; TVS1.2@701.9,1058.3 cw(c769.56,990.64) 769.56,1086.33 ; TVS1.2@701.9,1058.3 cw(c769.56,990.64) 769.56,1086.33 ; TVS1.2@701.9,1099.84 ccw(c734.5,1132.45) 734.5,1086.33 ; TVS1.2@701.9,1099.84 ccw(c734.5,1132.45) 734.5,1086.33 ; TVS1.2@701.9,1099.84 ccw(c734.5,1132.45) 734.5,1086.33
BB_RESET: CS1.1 QK12.1 UA1.34 | length 1147.6
  TopLayer w20: v1(1306.73,2758.13) 1330.79,2782.19 QK12.1@1368.44,2782.19 ; UA1.34@1370.58,2382.87 1301.53,2382.87 1276.4,2357.75 CS1.1@1245.18,2357.75 ; CS1.1@1245.18,2357.75 ccw(c1245.18,2413.16) v1@1285.86,2375.52 ; CS1.1@1245.18,2357.75 ccw(c1245.18,2413.16) v1@1285.86,2375.52 ; CS1.1@1245.18,2357.75 ccw(c1245.18,2413.16) v1@1285.86,2375.52 ; v1@1293.06,2368.59 cw(c1327.53,2334.13) 1327.53,2382.87 ; v1@1293.06,2368.59 cw(c1327.53,2334.13) 1327.53,2382.87 ; v1@1293.06,2368.59 cw(c1327.53,2334.13) 1327.53,2382.87 ; 1342.13,2782.19 cw(c1342.13,2762.88) QK12.1@1355.79,2776.53 ; 1342.13,2782.19 ccw(c1342.13,2801.5) QK12.1@1355.79,2787.85 ; 1342.13,2782.19 cw(c1342.13,2762.88) QK12.1@1355.79,2776.53 ; 1342.13,2782.19 ccw(c1342.13,2801.5) QK12.1@1355.79,2787.85 ; 1342.13,2782.19 cw(c1342.13,2762.88) QK12.1@1355.79,2776.53 ; 1342.13,2782.19 ccw(c1342.13,2801.5) QK12.1@1355.79,2787.85
  BottomLayer w20: v1(1289.53,2372.13) 1413.84,2372.13 1465.27,2423.56 1465.27,2557.89 1306.73,2716.43 v1(1306.73,2758.13)
BOOT0: RU2.2 UM1.44 | length 294.9
  TopLayer w10: RU2.2@3217.57,4387.02 3217.57,4419.59 3240.23,4442.25 UM1.44@3240.23,4617.45 ; RU2.2@3214.15,4390.44 ccw(c3205.88,4398.71) 3217.57,4398.71 ; RU2.2@3214.15,4390.44 ccw(c3205.88,4398.71) 3217.57,4398.71 ; RU2.2@3214.15,4390.44 ccw(c3205.88,4398.71) 3217.57,4398.71 ; 3217.57,4398.71 ccw(c3229.26,4398.71) RU2.2@3221,4390.44 ; 3217.57,4398.71 ccw(c3229.26,4398.71) RU2.2@3221,4390.44 ; 3217.57,4398.71 ccw(c3229.26,4398.71) RU2.2@3221,4390.44